# Altium PCB INC-IO1616001.PcbDoc (part 1 of 2)
Units mil, origin at the board's own origin, x right, y up, seen from the top; angles counter-clockwise.
Board outline 4955.49 x 3110.17 mil, 2 copper layers (Top Layer, Bottom Layer); 184 components, 159 nets, 570 pads, 122 vias.
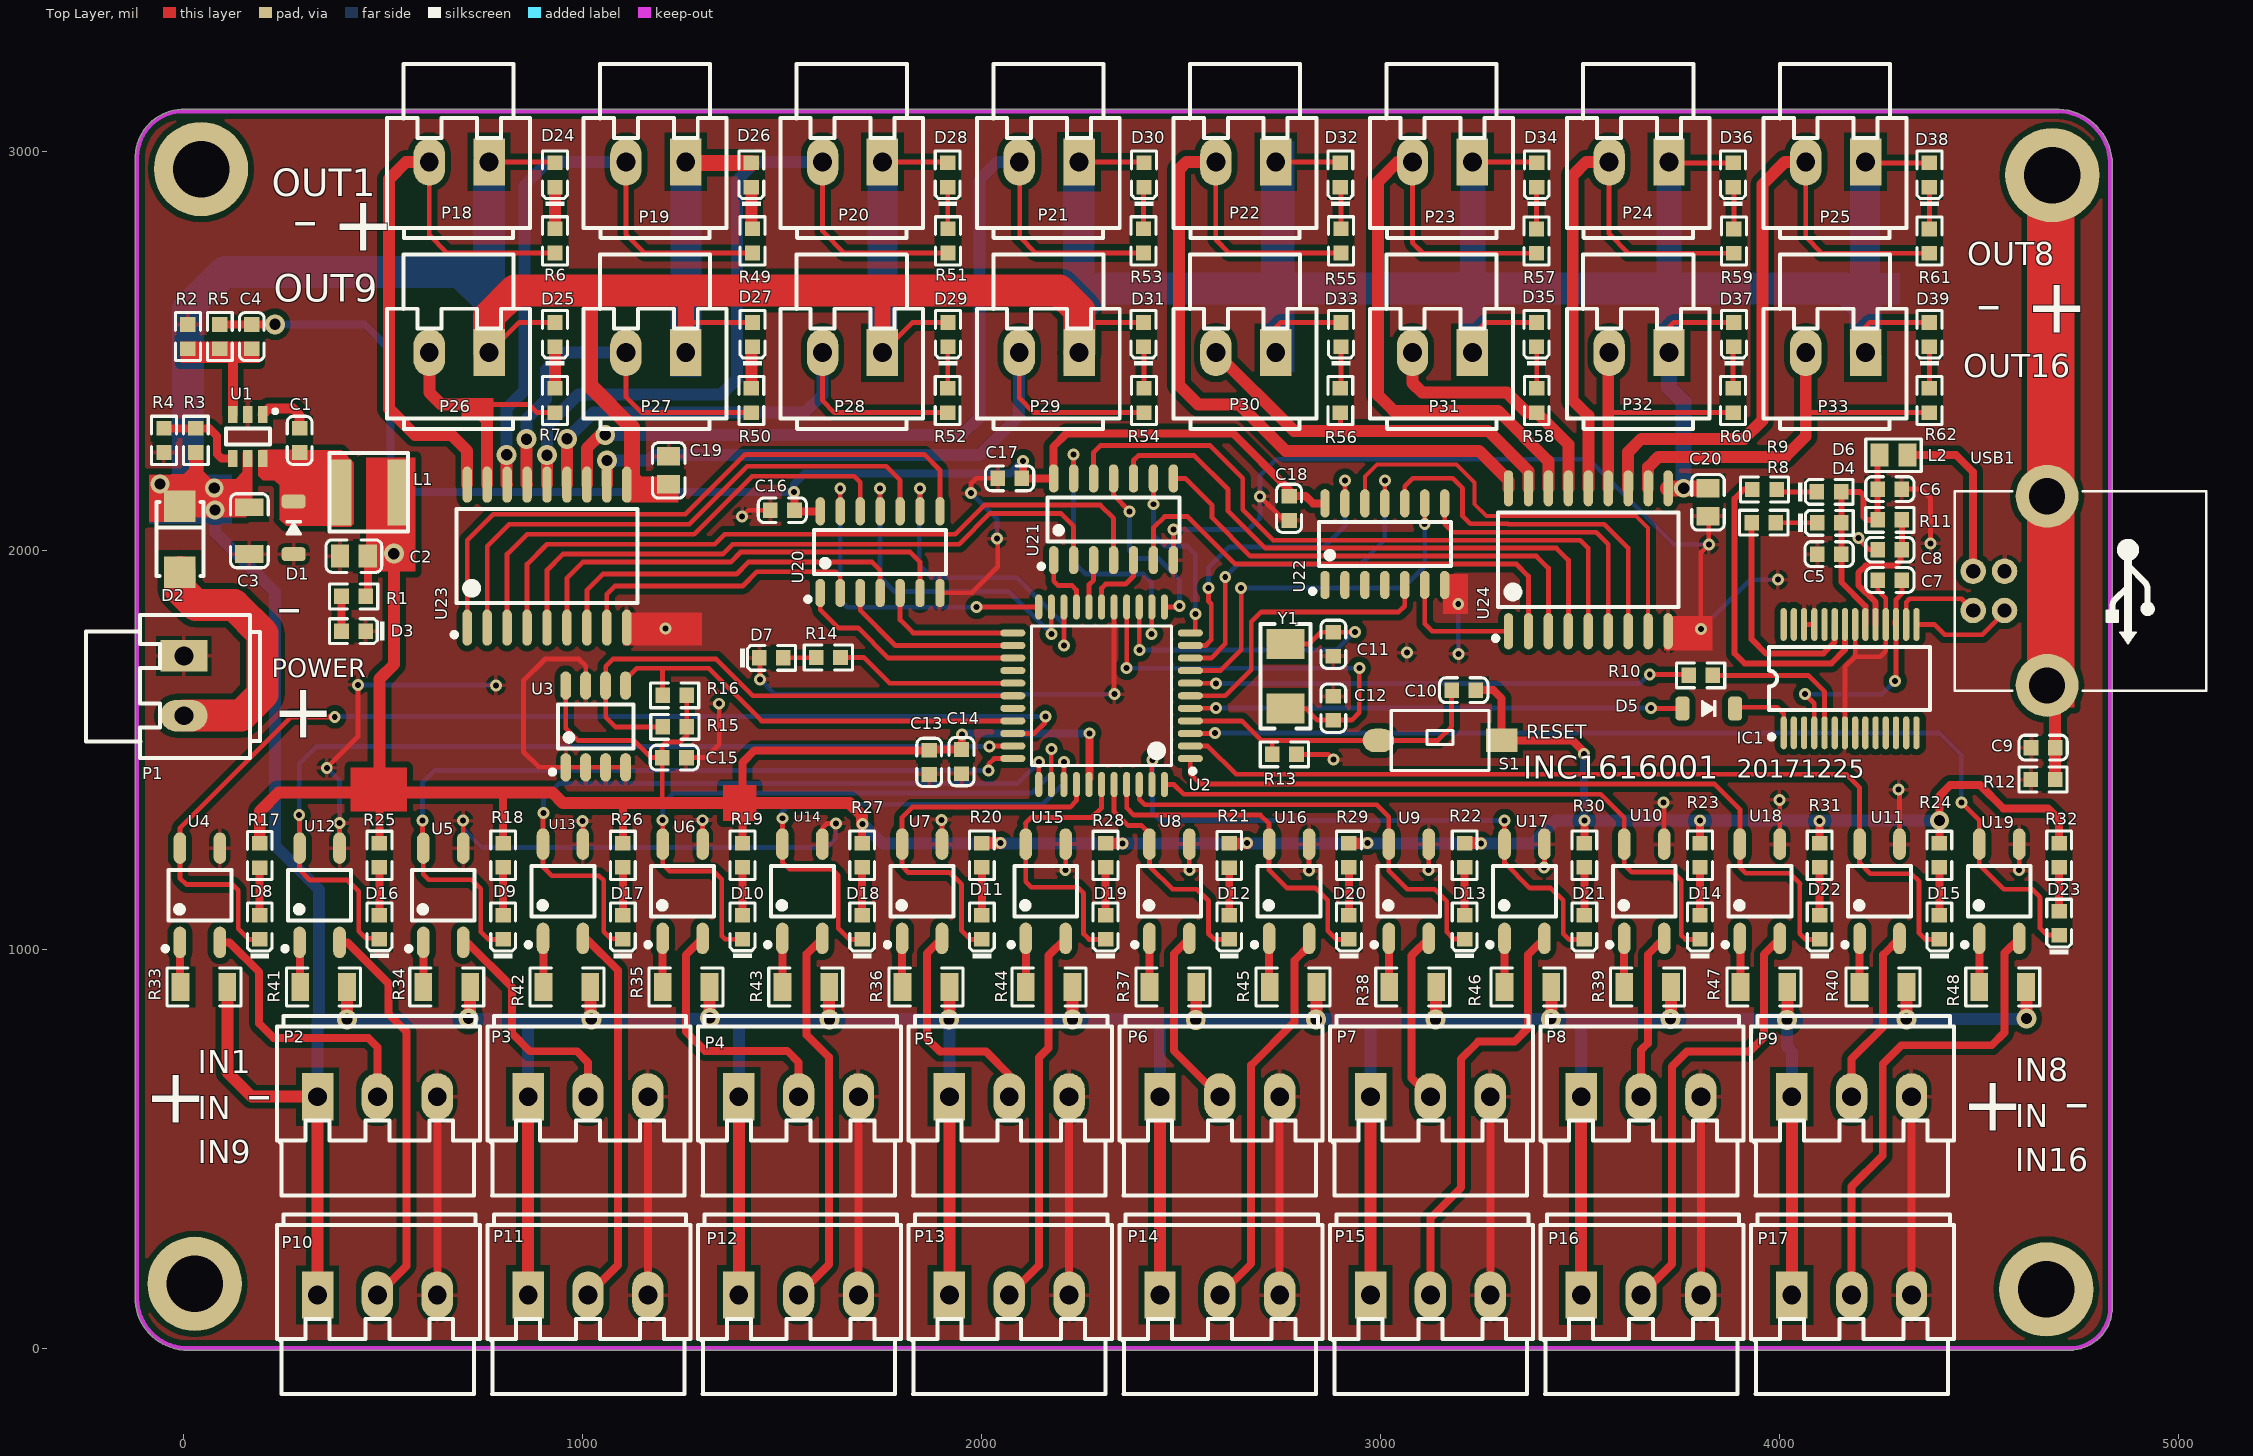
[diagram p0: Top Layer view]
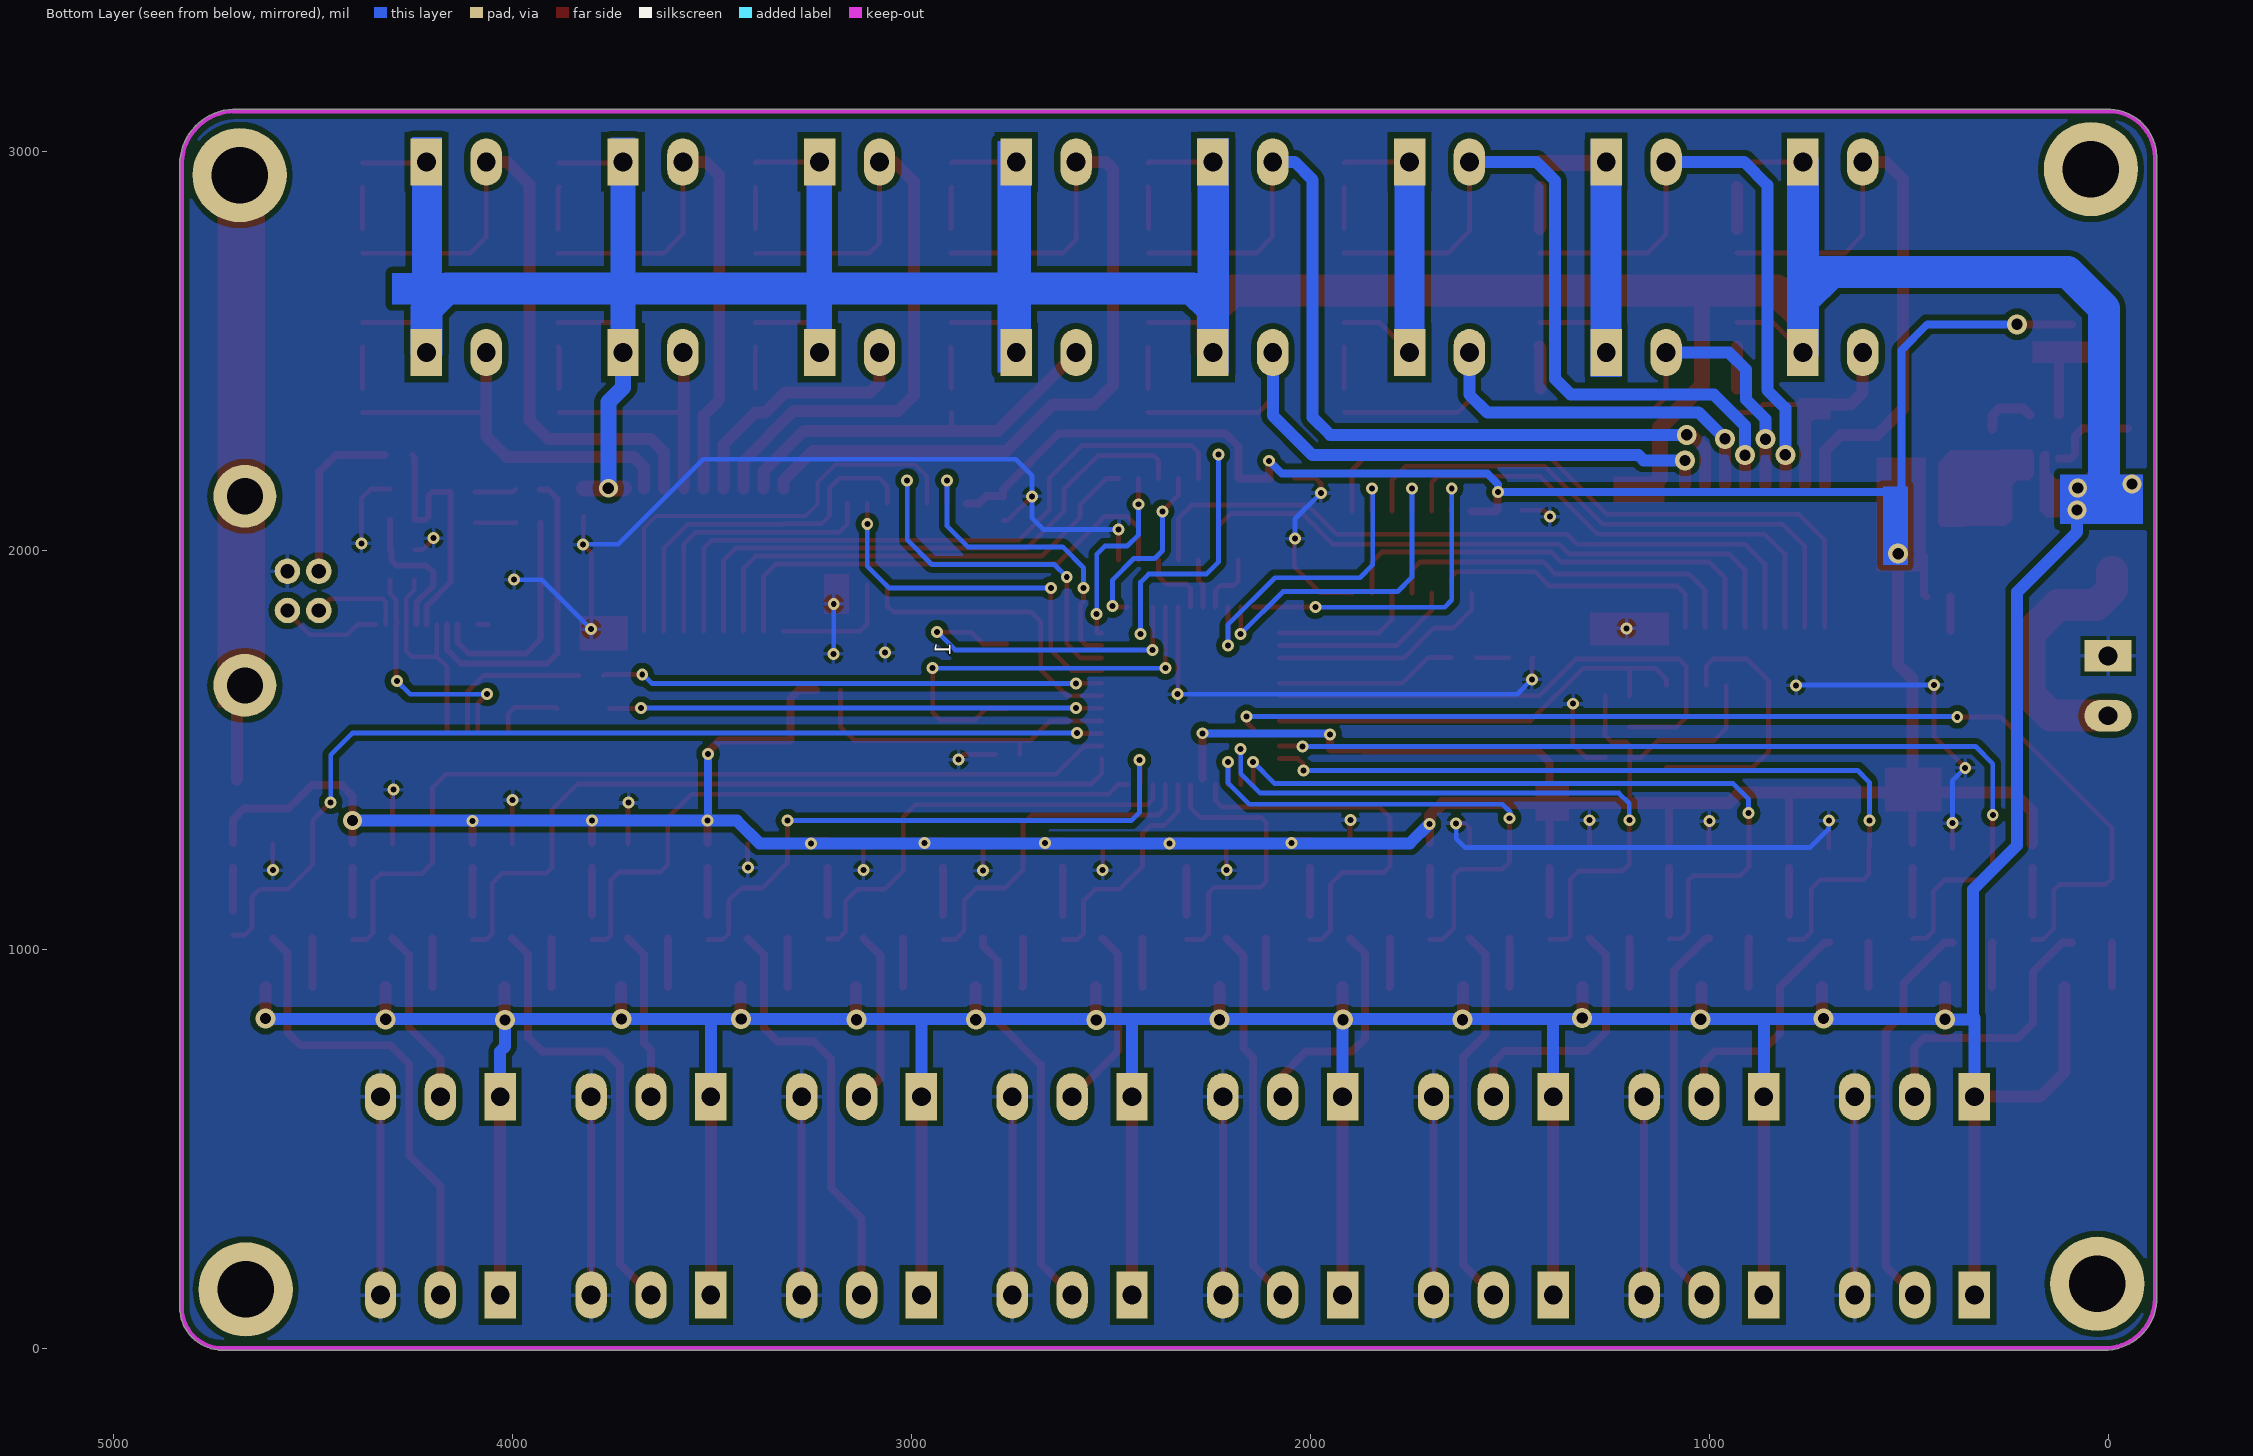
[diagram p1: Bottom Layer view, seen from below]
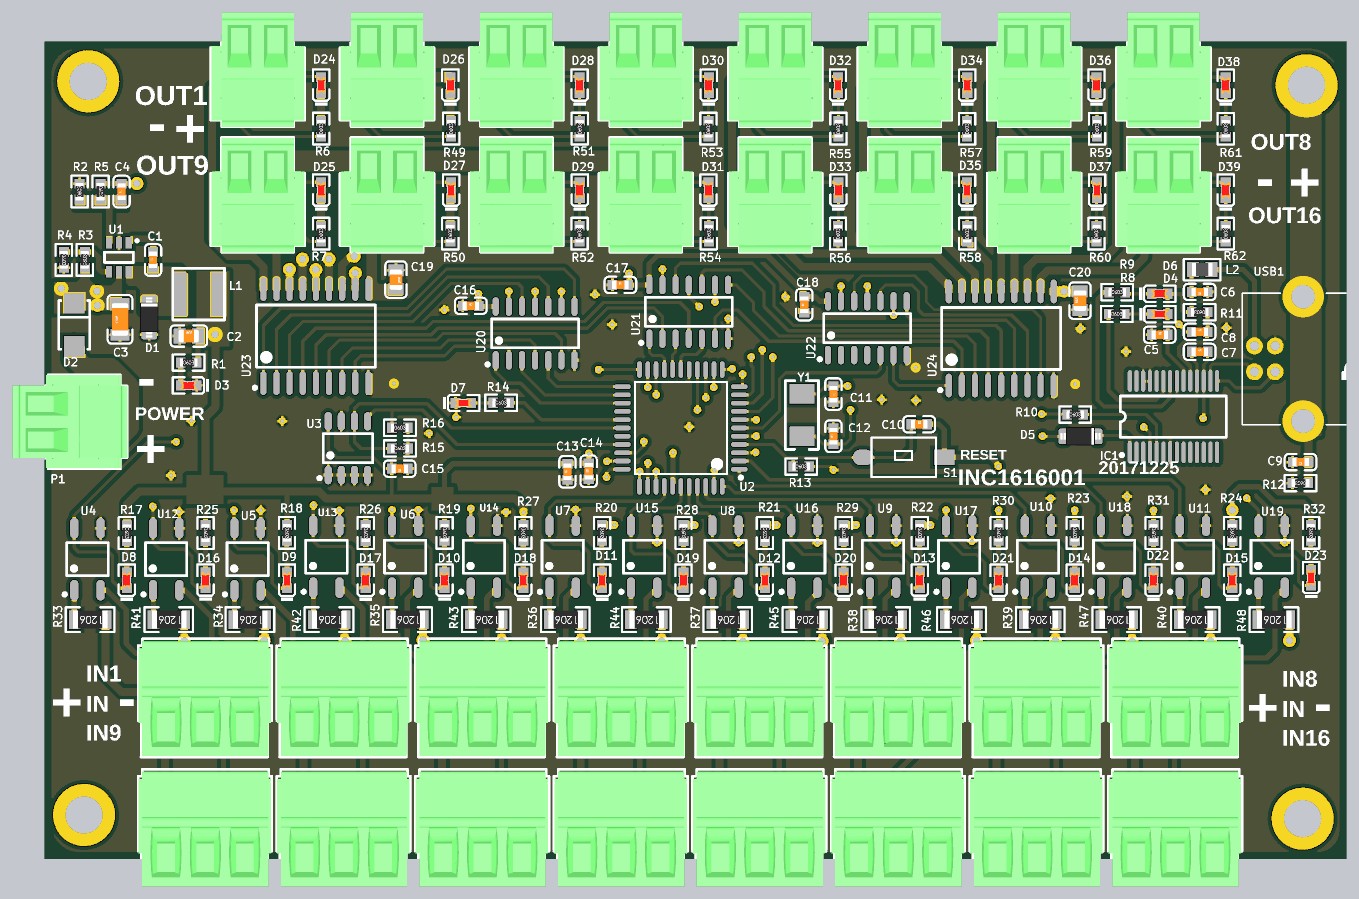
[diagram p3: 3D render of the assembled board from above, using the file's embedded part models]

## Layer stack, top to bottom
Top Solder: solder mask 0.4, Solder Resist, Dk 3.5
Top Layer: signal copper 1.4
Dielectric 1: dielectric 12.6, FR-4, Dk 4.8
Bottom Layer: signal copper 1.4
Bottom Solder: solder mask 0.4, Solder Resist, Dk 3.5

## Board outline
-122,116.64 cw(c9,126) -122.02,135.18 -122.02,2988 cw(c-117,2988) -121.92,2988.99 cw(c-1,2984) -5.99,3104.92 cw(c-5,3100) -5,3105.02 -2.02,3105.02 cw(c-1,2984) 0.02,3105.02 4693.86,3105.02 cw(c4695,3100.13) 4695.04,3105.15 cw(c4694,2966) 4700.22,3105.01 cw(c4694,2966) 4833.15,2966 cw(c4694,2966) 4833.02,2959.89 4833.02,93 cw(c4828,93) 4832.48,90.75 cw(c4726.5,101.5) 4737.25,-4.48 cw(c4735,0) 4735,-5.02 4728.04,-5.02 cw(c4726.5,101.5) 4724.96,-5.02 cw(c4726.5,101.5) 4724.93,-5.01 4724.96,-5.02 0,-5.02 cw(c0,0) -0.36,-5 cw(c9,126)

## Design rules (kind name [scope] priority, off if disabled: settings)
Clearance [All] p1: gap=8 ignorepadtopadclearanceinfootprint=FALSE
PolygonConnect [All] p1: connectstyle=Relief reliefconductorwidth=10 reliefentries=4 polygonreliefangle="90 Angle" airgapwidth=10
RoutingVias [All] p1: holewidth=15 width=30 viastyle="Through Hole" minholewidth=15 minwidth=30 maxholewidth=28 maxwidth=50
SilkToSilkClearance [All] p1 off: silktosilkclearance=10
SilkToSolderMaskClearance [IsPad] p1 off: minsilkscreentomaskgap=10 clearancetoexposedcopper=TRUE
SolderMaskExpansion [All] p1: expansion=4
Width [All] p1: maxlimit=80 minlimit=8 preferedwidth=20 minimp=50.000000 maximp=50.000000 favimp=50.000000
28 further rules are at their usual default settings.

## Components (designator, comment, footprint, x,y, rotation, side; value= is the part's Value field where it differs from the comment)
C1 "100nF (104) 10% 50V" 0603_C 290,2275 r90 top
C2 "10uF (106) 10% 25V" 0805_C 425.96,1985 r0 top
C3 "10uF (106) 10% 50V" 1206_C 164,2048.66 r90 top
C4 "33pF (330) 5% 50V" 0603_C 170,2535.32 r90 top
C5 "10uF (106) 10% 10V" 0603_C 4123.69,1990 r0 top
C6 "100nF (104) 10% 50V" 0603_C 4275.69,2153 r180 top
C7 "100nF (104) 10% 50V" 0603_C 4275.69,1925 r0 top
C8 "100nF (104) 10% 50V" 0603_C 4275.69,2001 r0 top
C9 "100nF (104) 10% 50V" 0603_C 4660,1505 r180 top
C10 "10uF (106) 10% 10V" 0603_C 3207.69,1649 r0 top
C11 "22pF (220) 5% 50V" 0603_C 2881,1764 r270 top
C12 "22pF (220) 5% 50V" 0603_C 2881,1603.68 r90 top
C13 "10uF (106) 10% 10V" 0603_C 1868,1468 r90 top
C14 "100nF (104) 10% 50V" 0603_C 1949,1470 r90 top
C15 "100nF (104) 10% 50V" 0603_C 1229.32,1480 r180 top
C16 "100nF (104) 10% 50V" 0603_C 1500,2100 r0 top
C17 "100nF (104) 10% 50V" 0603_C 2069.68,2180 r0 top
C18 "100nF (104) 10% 50V" 0603_C 2770,2104.68 r90 top
C19 "10uF (106) 10% 25V" 0805_C 1215,2200.04 r270 top
C20 "10uF (106) 10% 25V" 0805_C 3820,2119.96 r90 top
D1 "1N5819" SOD-123 275,2056 r90 top
D2 "SS34" SMA(DO-214AC)_S1 -10,2027.68 r270 top
D3 "红灯 0603" 0603_LED_S1 425.32,1797 r180 top
D4 "蓝灯 0603" 0603_LED_S1 4123.68,2068.5 r0 top
D5 "1N5819" SOD-123 3822,1603 r0 top
D6 "红灯 0603" 0603_LED_S1 4123.31,2146 r0 top
D7 "蓝灯 0603" 0603_LED_S1 1472,1730 r0 top
D8 "红灯 0603" 0603_LED_S1 190,1054.68 r90 top
D9 "红灯 0603" 0603_LED_S1 800,1054.68 r90 top
D10 "红灯 0603" 0603_LED_S1 1400,1055 r90 top
D11 "红灯 0603" 0603_LED_S1 2000,1054.68 r90 top
D12 "红灯 0603" 0603_LED_S1 2620,1054.68 r90 top
D13 "红灯 0603" 0603_LED_S1 3210,1055 r90 top
D14 "红灯 0603" 0603_LED_S1 3800,1054.68 r90 top
D15 "红灯 0603" 0603_LED_S1 4400,1054.68 r90 top
D16 "红灯 0603" 0603_LED_S1 490,1055 r90 top
D17 "红灯 0603" 0603_LED_S1 1100,1054.68 r90 top
D18 "红灯 0603" 0603_LED_S1 1700,1054.68 r90 top
D19 "红灯 0603" 0603_LED_S1 2310,1054.68 r90 top
D20 "红灯 0603" 0603_LED_S1 2920,1054.68 r90 top
D21 "红灯 0603" 0603_LED_S1 3510,1054.68 r90 top
D22 "红灯 0603" 0603_LED_S1 4100,1054.68 r90 top
D23 "红灯 0603" 0603_LED_S1 4700,1064.68 r90 top
D24 "红灯 0603" 0603_LED_S1 930,2940.31 r90 top
D25 "红灯 0603" 0603_LED_S1 930,2540.31 r90 top
D26 "红灯 0603" 0603_LED_S1 1422.14,2940.31 r90 top
D27 "红灯 0603" 0603_LED_S1 1425,2540.31 r90 top
D28 "红灯 0603" 0603_LED_S1 1914.29,2940.31 r90 top
D29 "红灯 0603" 0603_LED_S1 1915,2540.31 r90 top
D30 "红灯 0603" 0603_LED_S1 2406.43,2940.31 r90 top
D31 "红灯 0603" 0603_LED_S1 2405,2540.31 r90 top
D32 "红灯 0603" 0603_LED_S1 2898.57,2940.31 r90 top
D33 "红灯 0603" 0603_LED_S1 2900,2540.31 r90 top
D34 "红灯 0603" 0603_LED_S1 3390.71,2940.31 r90 top
D35 "红灯 0603" 0603_LED_S1 3390,2540.31 r90 top
D36 "红灯 0603" 0603_LED_S1 3882.86,2940.31 r90 top
D37 "红灯 0603" 0603_LED_S1 3885,2540.31 r90 top
D38 "红灯 0603" 0603_LED_S1 4375,2940.31 r90 top
D39 "红灯 0603" 0603_LED_S1 4375,2540.31 r90 top
IC1 "FT232RL" SSOP-28_208mil 4176,1678 r0 top
L1 "3.3uH  ±20%" L5020 465,2144 r0 top value="4.7uH  ±10%"
L2 "600Ω ±25% 100MHz" 0805_L 4284.94,2238 r0 top
P1 "Header 2" WJ15EDGVC-3.81-2P 0,1735 r270 top
P2 "Header 3" WJ15EDGVC-3.81-3P 335,630 r0 top
P3 "Header 3" WJ15EDGVC-3.81-3P 862.86,630 r0 top
P4 "Header 3" WJ15EDGVC-3.81-3P 1390.71,630 r0 top
P5 "Header 3" WJ15EDGVC-3.81-3P 1918.57,630 r0 top
P6 "Header 3" WJ15EDGVC-3.81-3P 2446.43,630 r0 top
P7 "Header 3" WJ15EDGVC-3.81-3P 2974.29,630 r0 top
P8 "Header 3" WJ15EDGVC-3.81-3P 3502.14,630 r0 top
P9 "Header 3" WJ15EDGVC-3.81-3P 4030,630 r0 top
P10 "Header 3" WJ15EDGVC-3.81-3P 335,133 r0 top
P11 "Header 3" WJ15EDGVC-3.81-3P 862.86,133 r0 top
P12 "Header 3" WJ15EDGVC-3.81-3P 1390.71,133 r0 top
P13 "Header 3" WJ15EDGVC-3.81-3P 1918.57,133 r0 top
P14 "Header 3" WJ15EDGVC-3.81-3P 2446.43,133 r0 top
P15 "Header 3" WJ15EDGVC-3.81-3P 2974.29,133 r0 top
P16 "Header 3" WJ15EDGVC-3.81-3P 3502.14,133 r0 top
P17 "Header 3" WJ15EDGVC-3.81-3P 4030,133 r0 top
P18 "Header 2" WJ15EDGVC-3.81-2P 765,2973 r180 top
P19 "Header 2" WJ15EDGVC-3.81-2P 1257.86,2973 r180 top
P20 "Header 2" WJ15EDGVC-3.81-2P 1750.71,2973 r180 top
P21 "Header 2" WJ15EDGVC-3.81-2P 2243.57,2973 r180 top
P22 "Header 2" WJ15EDGVC-3.81-2P 2736.43,2973 r180 top
P23 "Header 2" WJ15EDGVC-3.81-2P 3229.28,2973 r180 top
P24 "Header 2" WJ15EDGVC-3.81-2P 3722.14,2973 r180 top
P25 "Header 2" WJ15EDGVC-3.81-2P 4215,2973 r180 top
P26 "Header 2" WJ15EDGVC-3.81-2P 765,2495 r180 top
P27 "Header 2" WJ15EDGVC-3.81-2P 1257.86,2495 r180 top
P28 "Header 2" WJ15EDGVC-3.81-2P 1750.71,2495 r180 top
P29 "Header 2" WJ15EDGVC-3.81-2P 2243.57,2495 r180 top
P30 "Header 2" WJ15EDGVC-3.81-2P 2736.43,2495 r180 top
P31 "Header 2" WJ15EDGVC-3.81-2P 3229.29,2495 r180 top
P32 "Header 2" WJ15EDGVC-3.81-2P 3722.14,2495 r180 top
P33 "Header 2" WJ15EDGVC-3.81-2P 4215,2495 r180 top
R1 "1.5KΩ (1501) ±1%" 0603_R 425.31,1884 r0 top
R2 "30KΩ (3002) ±1%" 0603_R 10,2535.31 r90 top
R3 "47KΩ (4702) ±1%" 0603_R 30,2275 r90 top
R4 "10KΩ (1002) ±1%" 0603_R -50,2275 r270 top
R5 "160KΩ (1603) ±1%" 0603_R 90,2535.32 r270 top
R6 "10KΩ (1002) ±1%" 0603_R 930,2775 r90 top
R7 "10KΩ (1002) ±1%" 0603_R 930,2375 r90 top
R8 "1.5KΩ (1501) ±1%" 0603_R 3959.68,2069 r0 top
R9 "1.5KΩ (1501) ±1%" 0603_R 3961.68,2152 r0 top
R10 "330Ω (3300) ±1%" 0603_R 3801.68,1686 r0 top
R11 "10KΩ (1002) ±1%" 0603_R 4275.69,2076 r180 top
R12 "47KΩ (4702) ±1%" 0603_R 4659.69,1425 r180 top
R13 "10KΩ (1002) ±1%" 0603_R 2758.31,1488 r0 top
R14 "1.5KΩ (1501) ±1%" 0603_R 1615.31,1731 r0 top
R15 "4.7KΩ (4701) ±1%" 0603_R 1230.31,1557 r0 top
R16 "4.7KΩ (4701) ±1%" 0603_R 1230,1636 r0 top
R17 "1.5KΩ (1501) ±1%" 0603_R 190,1234.69 r270 top
R18 "1.5KΩ (1501) ±1%" 0603_R 800,1235.32 r270 top
R19 "1.5KΩ (1501) ±1%" 0603_R 1400,1235.32 r270 top
R20 "1.5KΩ (1501) ±1%" 0603_R 2000,1235.32 r270 top
R21 "1.5KΩ (1501) ±1%" 0603_R 2620,1234.69 r270 top
R22 "1.5KΩ (1501) ±1%" 0603_R 3210,1235.32 r270 top
R23 "1.5KΩ (1501) ±1%" 0603_R 3800,1235.32 r270 top
R24 "1.5KΩ (1501) ±1%" 0603_R 4400,1235 r270 top
R25 "1.5KΩ (1501) ±1%" 0603_R 490,1235 r270 top
R26 "1.5KΩ (1501) ±1%" 0603_R 1100,1235 r270 top
R27 "1.5KΩ (1501) ±1%" 0603_R 1700,1235.32 r270 top
R28 "1.5KΩ (1501) ±1%" 0603_R 2310,1235 r270 top
R29 "1.5KΩ (1501) ±1%" 0603_R 2920,1235 r270 top
R30 "1.5KΩ (1501) ±1%" 0603_R 3510,1235.32 r270 top
R31 "1.5KΩ (1501) ±1%" 0603_R 4100,1235 r270 top
R32 "1.5KΩ (1501) ±1%" 0603_R 4700,1235.32 r270 top
R33 "4.7KΩ (4701) ±1%" 1206_R 50,905 r180 top
R34 "4.7KΩ (4701) ±1%" 1206_R 658.66,905 r180 top
R35 "4.7KΩ (4701) ±1%" 1206_R 1258.66,905 r180 top
R36 "4.7KΩ (4701) ±1%" 1206_R 1860,905 r180 top
R37 "4.7KΩ (4701) ±1%" 1206_R 2478.66,905 r180 top
R38 "4.7KΩ (4701) ±1%" 1206_R 3080,905 r180 top
R39 "4.7KΩ (4701) ±1%" 1206_R 3668.66,905 r180 top
R40 "4.7KΩ (4701) ±1%" 1206_R 4258.66,905 r180 top
R41 "4.7KΩ (4701) ±1%" 1206_R 350,905 r180 top
R42 "4.7KΩ (4701) ±1%" 1206_R 960,905 r180 top
R43 "4.7KΩ (4701) ±1%" 1206_R 1558.66,905 r180 top
R44 "4.7KΩ (4701) ±1%" 1206_R 2168.66,905 r180 top
R45 "4.7KΩ (4701) ±1%" 1206_R 2780,905 r180 top
R46 "4.7KΩ (4701) ±1%" 1206_R 3368.66,905 r180 top
R47 "4.7KΩ (4701) ±1%" 1206_R 3960,905 r180 top
R48 "4.7KΩ (4701) ±1%" 1206_R 4558.66,905 r180 top
R49 "10KΩ (1002) ±1%" 0603_R 1425,2775 r90 top
R50 "10KΩ (1002) ±1%" 0603_R 1422.14,2375 r90 top
R51 "10KΩ (1002) ±1%" 0603_R 1915,2775 r90 top